# Allegro board RK_NVR_DEMO1_RK3588_LP4XD200P232SD8_V21_20211228_final_lint.brd (continued)
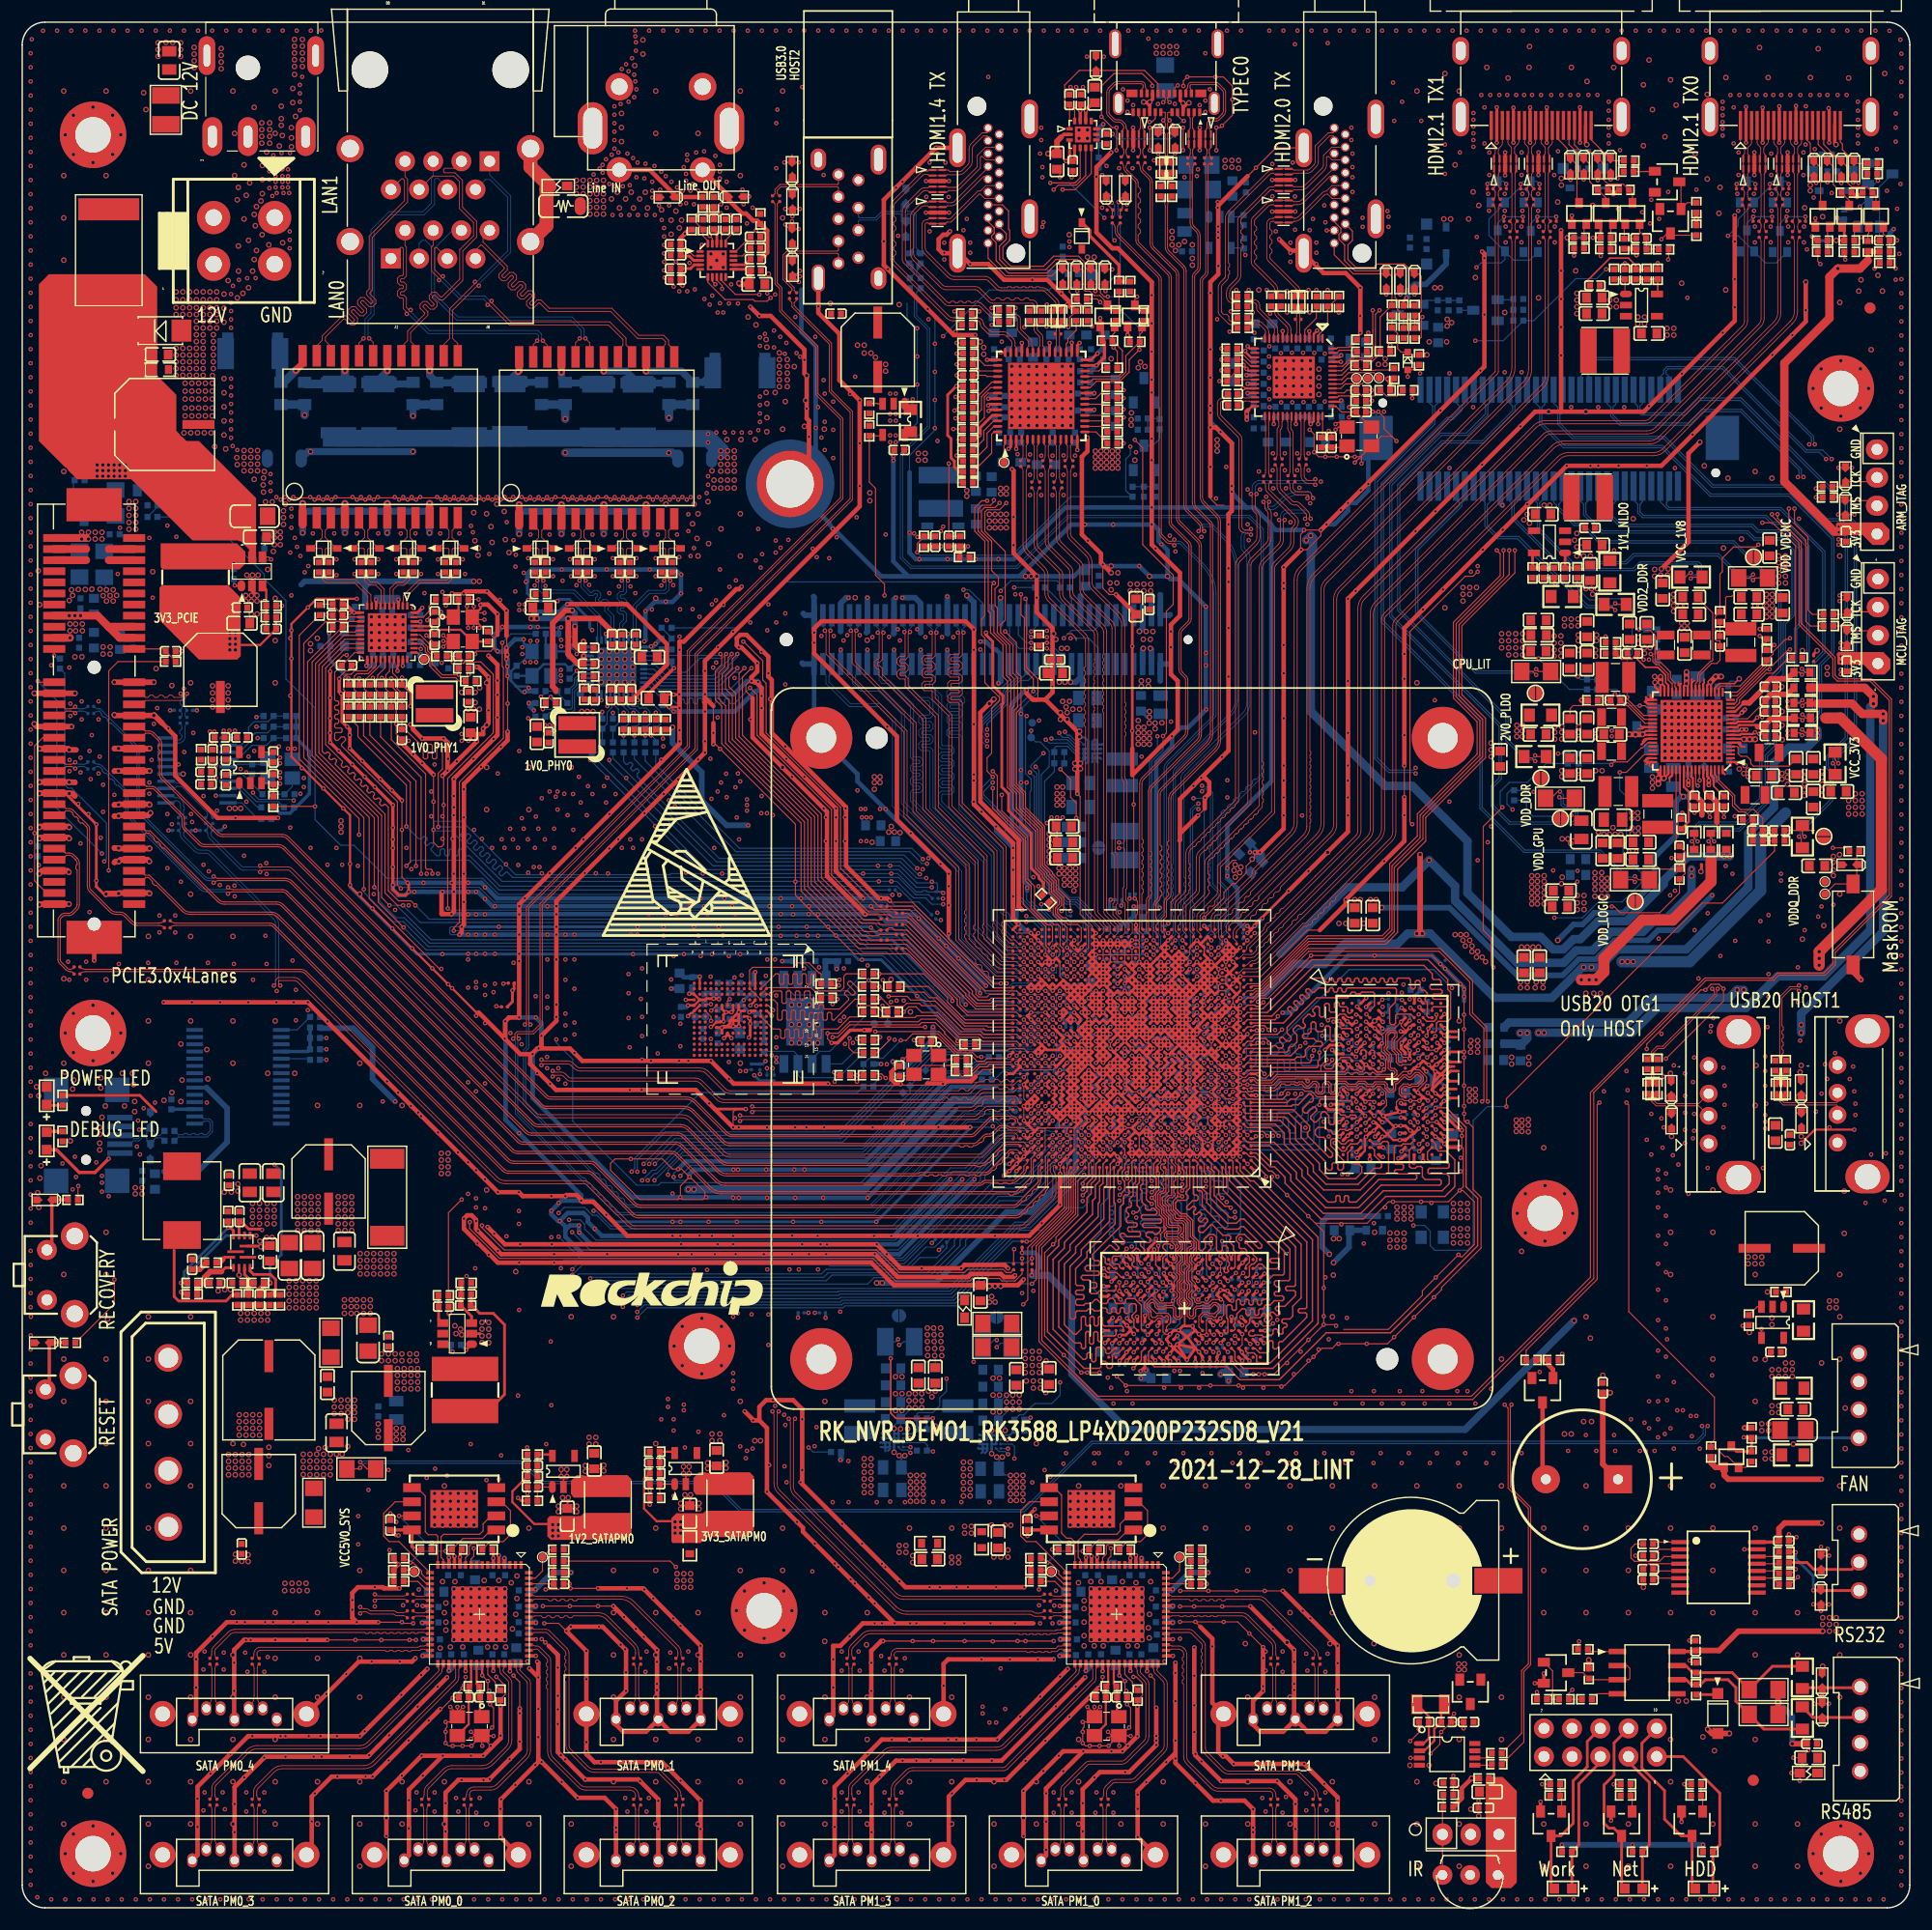
[diagram p0: board, top side]
## Routing (per net, layer and track width the routed paths; a pad name or vN(x,y) marks a point on that pad's centre or on a via; arc(x,y) is an arc through that point) (continued)
  BOTTOM w0.076: v1(113.75,125.11) 113.64,125.22 113.64,125.39 arc(113.73,125.63) 113.97,125.72 115.5,125.72 arc(115.66,125.66) 115.72,125.5 115.72,125.29 115.64,125.21 v1(115.59,125.21)
DP1TX2N: length 50.2
  TOP w0.076: C1414.1 114.61,128.52 arc(114.53,128.4) 114.5,128.25 114.5,128.04 arc(114.52,127.94) 114.58,127.86 114.68,127.75 arc(114.79,127.68) 114.92,127.65 115.84,127.65 arc(116.09,127.55) 116.19,127.3 116.19,127.18 v1(116.3,127.07) ; U1000.AP10 104.86,88.2 104.86,90.26 arc(104.87,90.31) 104.9,90.35 105.88,91.34 arc(106.02,91.54) 106.07,91.78 106.07,94.63 arc(106.11,94.85) 106.24,95.04 106.52,95.33 106.58,95.33 106.63,95.33 106.8,95.49 106.8,95.54 106.8,95.54 106.8,95.6 106.96,95.76 107.01,95.76 107.01,95.76 107.07,95.76 107.23,95.92 107.23,95.98 107.23,95.98 107.23,96.04 107.39,96.2 107.45,96.2 107.45,96.2 107.51,96.2 107.67,96.36 107.67,96.41 107.67,96.42 107.67,96.47 110.72,99.52 110.72,121.05 arc(110.75,121.24) 110.86,121.4 110.92,121.45 112.25,122.79 arc(112.47,123.11) 112.55,123.5 112.55,125.68 arc(112.5,125.9) 112.38,126.08 112.27,126.19 arc(112.25,126.22) 112.24,126.26 112.24,126.49 arc(112.27,126.63) v1(112.34,126.74)
  BOTTOM w0.076: v1(112.34,126.74) 112.24,126.64 112.24,126.43 arc(112.27,126.36) 112.34,126.33 112.65,126.33 arc(112.75,126.35) 112.84,126.41 113.4,126.97 arc(114.15,127.48) 115.04,127.65 115.85,127.65 arc(116.1,127.55) 116.2,127.3 116.2,127.17 v1(116.3,127.07)
DP1TX2P: length 50.8
  TOP w0.076: U1000.AN10 104.87,87.78 104.58,88.07 104.58,90.26 arc(104.61,90.42) 104.7,90.55 105.69,91.53 arc(105.76,91.65) 105.79,91.78 105.79,94.63 arc(105.85,94.96) 106.04,95.24 110.44,99.64 110.44,121.05 arc(110.5,121.34) 110.66,121.59 110.72,121.65 111.94,122.87 112.05,122.98 arc(112.21,123.22) 112.27,123.5 112.27,125.68 arc(112.24,125.79) 112.18,125.88 112.07,125.99 arc(111.99,126.12) 111.96,126.26 111.96,126.45 arc(111.93,126.6) v1(111.84,126.74) ; C1413.1 114.11,128.52 arc(114.19,128.4) 114.22,128.25 114.22,128.04 arc(114.26,127.83) 114.38,127.66 114.48,127.56 arc(114.68,127.42) 114.92,127.37 115.84,127.37 arc(115.89,127.35) 115.91,127.3 115.91,127.18 v1(115.8,127.07)
  BOTTOM w0.076: v1(111.84,126.74) 111.96,126.62 111.96,126.43 arc(112.07,126.16) 112.34,126.05 112.65,126.05 arc(112.86,126.09) 113.04,126.21 113.6,126.77 arc(114.26,127.22) 115.04,127.37 115.85,127.37 arc(115.9,127.35) 115.92,127.3 115.92,127.19 v1(115.8,127.07)
DP1TX3N: length 52.2
  TOP w0.076: C1416.1 115.67,130.08 arc(115.55,129.9) 115.51,129.68 115.51,129.07 arc(115.53,128.96) 115.59,128.87 115.69,128.77 arc(115.81,128.69) 115.94,128.67 116.4,128.67 v1(116.51,128.78) ; U1000.AN11 104.22,87.78 103.86,88.14 103.86,90.37 arc(103.91,90.6) 104.04,90.81 104.85,91.61 104.85,95.05 arc(104.91,95.34) 105.08,95.6 109.32,99.84 109.32,121.05 arc(109.38,121.34) 109.54,121.59 111.03,123.07 arc(111.19,123.32) 111.25,123.61 111.25,125.42 arc(111.22,125.58) 111.12,125.72 110.96,125.88 arc(110.86,126.04) 110.82,126.23 110.82,127.18 arc(110.79,127.33) v1(110.71,127.45)
  BOTTOM w0.076: v1(116.51,128.78) 116.39,128.66 111.43,128.66 arc(111.25,128.63) 111.09,128.53 111.09,128.52 110.95,128.39 arc(110.85,128.24) 110.82,128.06 110.82,127.56 v1(110.71,127.45)
DP1TX3P: length 52.7
  TOP w0.076: v1(116.51,128.28) 116.4,128.39 115.94,128.39 arc(115.7,128.44) 115.5,128.57 115.4,128.67 arc(115.27,128.86) 115.23,129.07 115.23,129.68 arc(115.19,129.9) 115.07,130.08 C1415.1 ; U1000.AP11 104.14,88.27 104.14,88.5 104.34,88.7 104.34,88.93 104.14,89.13 104.14,89.36 104.34,89.56 104.34,89.79 104.14,89.99 104.14,90.37 arc(104.17,90.5) 104.24,90.61 105.13,91.49 105.13,91.72 105.23,91.82 105.23,92.05 105.13,92.15 105.13,92.38 105.23,92.48 105.23,92.71 105.13,92.81 105.13,93.04 105.23,93.15 105.23,93.37 105.13,93.48 105.13,93.7 105.23,93.81 105.23,94.03 105.13,94.14 105.13,95.05 arc(105.17,95.24) 105.28,95.4 105.53,95.65 105.58,95.65 105.64,95.65 105.8,95.81 105.8,95.87 105.8,95.93 105.96,96.09 106.02,96.09 106.07,96.09 106.24,96.25 106.24,96.3 106.24,96.36 106.4,96.52 106.45,96.52 106.51,96.52 106.67,96.68 106.67,96.74 106.67,96.8 106.83,96.96 106.89,96.96 106.95,96.96 107.11,97.12 107.11,97.18 107.11,97.23 107.27,97.39 107.33,97.39 107.38,97.39 107.54,97.55 107.54,97.61 107.54,97.67 107.71,97.83 107.76,97.83 107.82,97.83 107.98,97.99 107.98,98.05 107.98,98.1 108.14,98.26 108.2,98.26 108.25,98.26 108.42,98.43 108.42,98.48 108.42,98.54 108.58,98.7 108.63,98.7 108.69,98.7 108.85,98.86 108.85,98.92 108.85,98.97 109.01,99.13 109.07,99.13 109.13,99.13 109.29,99.3 109.29,99.35 109.29,99.41 109.6,99.72 109.6,121.05 arc(109.64,121.24) 109.74,121.4 109.85,121.51 111.22,122.88 arc(111.45,123.22) 111.53,123.61 111.53,125.42 arc(111.48,125.69) 111.32,125.92 111.16,126.08 arc(111.11,126.15) 111.1,126.23 111.1,127.18 arc(111.13,127.33) v1(111.21,127.45)
  BOTTOM w0.076: v1(111.21,127.45) 111.1,127.56 111.1,128.06 arc(111.11,128.13) 111.15,128.19 111.28,128.32 111.29,128.33 arc(111.35,128.37) 111.43,128.38 116.4,128.38 v1(116.51,128.28)
DP2HDMI_PWREN_H_GPIO3_B2: length 137.7
  TOP w0.089: U1000.AE28 v1(93.5,82.66)
  TOP w0.102: R5131.1 v1(142.72,147.7) ; R5552.1 81.25,123.59 80.64,122.98 v1(80.64,122.19)
  L4-S1 w0.102: v1(82.46,89.7) 82.02,89.7 79.53,92.19 79.53,94.84 77.59,96.77 77.59,98.19 76.07,99.71 76.07,103.07 76.88,103.88 78.31,103.88 85.32,110.89 85.32,116.88 84.1,118.1 84.1,119.52 81.66,121.96 80.87,121.96 v1(80.64,122.19)
  L6-S2 w0.089: v1(93.5,82.66) 92.91,83.25 89.15,83.25 88.82,82.92 88.63,82.92 88.61,82.95 88.47,82.95
  L6-S2 w0.102: v1(82.46,89.7) 82.73,89.7 87.73,84.7 87.73,83.1 87.88,82.95 88.47,82.95 ; v1(130.93,141.27) 127.68,138.02 127.68,137.81 121.99,132.12 111.63,132.12 110.01,130.5 102.89,130.5 101.67,131.72 v1(99.85,131.72)
  BOTTOM w0.102: R5549.1 99.99,127.2 ; 99.99,127.2 99.44,127.75 99.44,130.6 99.85,131.01 v1(99.85,131.72) ; 99.99,127.2 94.47,127.2 89.19,121.93 80.91,121.93 v1(80.64,122.19) ; v1(130.93,141.27) 133.44,141.27 R5129.1 136.2,143.07 139.98,146.85 141.87,146.85 v1(142.72,147.7)
DP2HDMI_RSTN: length 7.3
  TOP w0.102: R5122.2 123.88,136.29 122.91,136.29 122.4,136.8 R5121.2 121.85,136.29 120.7,136.29 C5106.1 119.36,136.81 119.12,136.56 U5100.46
DP2HDMI_RSTN_GPIO0_D5: length 151.8
  TOP w0.102: R5122.1 125.29,136.13 v1(125.25,136.09) ; U1000.V28 v1(92.85,78.11)
  L4-S1 w0.102: v1(82.47,132.22) 82.47,132.02 81.86,131.41 81.86,129.89 72.87,120.9 72.26,120.9 69.37,118 69.37,116.58 67.74,114.95 67.74,110.89 66.01,109.16 66.01,105.71 65.71,105.4 65.71,98.39 57.26,89.95 v1(57.26,77.02)
  L6-S2 w0.089: v1(92.85,78.11) 92.13,77.4 88.52,77.4 88.52,77.39 88.47,77.39
  L6-S2 w0.102: v1(57.26,77.02) 65.21,77.02 67.13,75.1 68.53,75.1 70.33,76.9 76.2,76.9 76.76,77.46 81.76,77.46 82.67,76.55 85.21,76.55 86.06,77.39 88.47,77.39 ; v1(82.47,132.22) 86.64,132.22 87.35,132.94 100.76,132.94 102.99,130.7 109.9,130.7 111.63,132.43 121.59,132.43 v1(125.25,136.09)
DP2HDMI_XIN: length 4.3
  TOP w0.102: U5100.43 118.35,135.36 118.87,134.84 C5105.1 121.54,133.48 Y5100.3
DP2HDMI_XOUT: length 2
  TOP w0.102: R5115.2 117.17,132.65 U5100.42
EMMC_CLKOUT: length 28.7
  TOP w0.102: v1(73.02,78.48) 73.45,78.48 74.57,79.6 80.85,79.6 81.05,79.8 82.27,79.8 83.11,78.95 83.11,78.82 84.14,77.79 84.89,77.79 R1310.2 ; v1(62.07,79.95) 62.07,80.33 U4000.M6
  L6-S2 w0.081: v1(62.07,79.95) 62.46,79.56 62.46,78.68 63.17,77.97 68.15,77.97 68.65,78.48 v1(73.02,78.48)
  BOTTOM w0.086: TP1300.1 61.71,80.31 v1(62.07,79.95) 61.35,79.23 C4010.1
EMMC_CLKOUT_SOC: length 3.5
  TOP w0.089: 89.27,77.79 U1000.V34
  TOP w0.102: R1310.1 85.9,77.79 89.27,77.79
EMMC_CMD: length 18.4
  TOP w0.102: v1(75.36,81.32) 76.96,81.32 77.52,80.76 R1315.2 ; U4000.M5 61.65,81.45 v1(62.05,81.45)
  L6-S2 w0.081: v1(75.36,81.32) 73.94,82.74 65.07,82.74 64.87,82.54 63.88,82.54 62.79,81.45 v1(62.05,81.45)
  BOTTOM w0.086: R4001.2 62.05,81.46 v1(62.05,81.45)
EMMC_CMD/FSPI_CLK: length 12.3
  TOP w0.089: 89.27,78.44 U1000.W34
  TOP w0.102: 89.27,78.44 86.58,78.44 86.28,78.73 84.45,78.73 82.47,80.71 81.05,80.71 80.54,81.22 79.88,81.22 v1(79.42,80.76) R1315.1
  BOTTOM w0.102: R1315.1 v1(79.42,80.76)
EMMC_D0: length 20.3
  TOP w0.102: R1309.2 75.54,82.79 75.4,82.79 74.66,83.53 74.52,83.53 74.37,83.38 74.37,83.24 75.04,82.57 75.04,82.43 74.9,82.28 74.75,82.28 74.39,82.65 74.25,82.65 74.1,82.5 74.1,82.36 74.47,82 74.47,81.85 73.63,81.02 72.31,81.02 72.21,81.12 72.21,81.32 72.1,81.42 71.9,81.42 71.8,81.32 71.8,81.12 71.7,81.02 71.5,81.02 71.4,81.12 71.4,81.63 70.99,82.03 70.99,82.54 70.89,82.64 70.58,82.64 70.48,82.54 70.48,81.93 70.38,81.83 70.17,81.83 70.07,81.93 70.07,82.54 69.97,82.64 69.77,82.64 69.67,82.54 69.67,81.93 69.56,81.83 69.36,81.83 69.26,81.93 69.26,82.54 69.16,82.64 68.95,82.64 68.85,82.54 68.85,81.63 68.75,81.53 68.55,81.53 68.45,81.63 68.45,82.54 68.34,82.64 67.74,82.64 v1(67.45,82.35) U4000.A3
  BOTTOM w0.086: R4000.2 67.44,82.34 v1(67.45,82.35)
EMMC_D0/FSPI_D0: length 15.4
  TOP w0.089: 89.92,79.09 U1000.Y33
  TOP w0.102: R1309.1 v1(77.22,83.05) 77.73,82.54 81.25,82.54 81.76,82.03 82.37,82.03 84.91,79.49 86.92,79.49 87.01,79.4 89.61,79.4 89.92,79.09
  BOTTOM w0.102: R1309.1 v1(77.22,83.05)
EMMC_D1: length 19.2
  TOP w0.102: R1311.2 75.03,81.91 73.15,80.02 73.04,80.02 72.94,80.13 72.94,80.61 72.84,80.71 72.64,80.71 72.54,80.61 72.54,80.13 72.43,80.02 72.23,80.02 72.13,80.13 72.13,80.61 72.03,80.71 71.83,80.71 71.72,80.61 71.72,80.13 71.62,80.02 71.42,80.02 71.32,80.13 71.32,80.61 71.22,80.71 71.01,80.71 70.91,80.61 70.91,80.13 70.81,80.02 70.61,80.02 70.5,80.13 70.5,80.81 70.4,80.92 70.2,80.92 70.1,80.81 70.1,80.13 70,80.02 69.79,80.02 69.69,80.13 69.69,80.81 69.59,80.92 69.39,80.92 69.29,80.81 69.29,80.13 69.18,80.02 68.98,80.02 68.88,80.13 68.88,80.81 68.78,80.92 68.57,80.92 68.47,80.81 68.47,80.13 68.37,80.02 68.15,80.02 68.04,80.13 68.04,81.53 67.72,81.85 U4000.A4
EMMC_D1/FSPI_D1: length 15.5
  TOP w0.102: U1000.W33 89.61,78.75 86.65,78.75 86.41,78.99 84.61,78.99 82.27,81.32 81.05,81.32 80.85,81.53 79.68,81.53 79.42,81.27 78.15,81.27 77.42,82.01 v1(77.24,82.01) 77.14,81.91 R1311.1
  BOTTOM w0.102: R1311.1 77.14,81.91 v1(77.24,82.01)
EMMC_D2: length 11.4
  TOP w0.102: U4000.A5 67.2,81.35 v1(67.64,80.92) ; v1(74.55,78.38) 74.49,78.32 74.49,77.52 74.93,77.08 R1313.2
  L6-S2 w0.081: v1(74.55,78.38) 74.55,78.4 73.73,79.21 68.78,79.21 68.38,79.62 68.38,80.18 v1(67.64,80.92)
EMMC_D2/FSPI_D2: length 17.5
  TOP w0.102: v1(78.11,78.38) 78.11,78.18 77.01,77.08 R1313.1 ; U1000.V32 v1(90.25,78.11)
  L6-S2 w0.081: 88.47,78.11 85.36,78.11 84.71,77.46 83.28,77.46 82.4,78.35 80.72,78.35 80.49,78.58 78.32,78.58 v1(78.11,78.38)
  L6-S2 w0.089: v1(90.25,78.11) 88.47,78.11
  BOTTOM w0.102: v1(78.11,78.38) 78.11,78.18 77.01,77.08 R1313.1
EMMC_D3: length 19
  TOP w0.102: R1314.2 74.24,84.19 74.04,83.99 74.04,82.95 73.73,82.64 71.81,82.64 71.5,82.96 71.5,84.1 71.4,84.2 71.16,84.2 71.06,84.1 71.06,83.35 70.96,83.25 70.75,83.25 70.65,83.35 70.65,84.1 70.55,84.2 70.35,84.2 70.25,84.1 70.25,83.35 70.14,83.25 69.94,83.25 69.84,83.35 69.84,84.1 69.74,84.2 69.54,84.2 69.43,84.1 69.43,83.35 69.33,83.25 69.13,83.25 69.03,83.35 69.03,84.1 68.93,84.2 68.72,84.2 68.62,84.1 68.62,83.35 68.52,83.25 68.32,83.25 68.21,83.35 68.21,84.1 68.11,84.2 67.9,84.2 U4000.B2
EMMC_D3/FSPI_D3: length 15.8
  TOP w0.089: 89.92,79.74 U1000.AA33
  TOP w0.102: R1314.1 v1(77.22,84.19) 81.22,84.19 83.39,82.03 83.39,81.63 84.97,80.05 89.61,80.05 89.92,79.74
  BOTTOM w0.102: v1(77.22,84.19) R1314.1
EMMC_D4: length 6.1
  TOP w0.102: U4000.B3 67.15,82.95 71.07,82.95 R1305.2
EMMC_D4_SOC: length 22
  TOP w0.089: U1000.Y32 90.57,79.09
  TOP w0.102: R1305.1 73.33,82.03 v1(73.45,81.91) ; 90.57,79.09 v1(90.25,79.41)
  L6-S2 w0.081: v1(73.45,81.91) 73.74,81.62 73.74,81.48 73.02,80.76 73.02,80.62 73.16,80.47 73.31,80.47 74.03,81.19 74.17,81.19 74.84,80.53 74.84,80.38 74.67,80.22 74.67,80.08 74.82,79.93 74.96,79.93 75.12,80.1 75.27,80.1 75.46,79.9 80.34,79.9 80.64,80.21 82.57,80.21 83.37,79.41 88.47,79.41
  L6-S2 w0.089: v1(90.25,79.41) 88.47,79.41
EMMC_D5: length 11.1
  TOP w0.102: R1306.2 71.99,84.17 71.89,84.27 71.8,84.27 70.89,85.18 69.87,85.18 69.47,84.78 65.81,84.78 65.54,84.51 65.54,82.86 U4000.B4
EMMC_D5_SOC: length 19.8
  TOP w0.089: U1000.AA32 90.57,79.74
  TOP w0.102: 90.57,79.74 v1(90.25,80.06) ; R1306.1 73.05,83.15 v1(73.58,83.15)
  L6-S2 w0.081: 88.47,80 83.69,80 82.47,81.22 78.7,81.22 78.04,80.56 76.97,80.56 74.38,83.15 v1(73.58,83.15)
  L6-S2 w0.089: 88.47,80 90.19,80 v1(90.25,80.06)
EMMC_D6: length 11.4
  TOP w0.102: R1316.2 75.33,78.22 v1(75.21,78.35) ; v1(66.15,81.3) 66.2,81.3 66.24,81.35 U4000.B5
  L6-S2 w0.081: v1(75.21,78.35) 74.01,79.54 73.02,79.54 71.68,80.89 68.76,80.89 68.35,81.3 v1(66.15,81.3)
EMMC_D6/FSPI_CS0: length 15.8
  TOP w0.102: U1000.W32 v1(90.25,78.76) ; v1(77.3,78.49) 77.3,78.39 77.14,78.22 R1316.1
  L6-S2 w0.081: v1(77.3,78.49) 77.39,78.58 77.39,79.09 77.54,79.24 80.8,79.24 81,79.04 82.83,79.04 83.13,78.73 88.47,78.73
  L6-S2 w0.089: 88.47,78.73 89.23,78.73 89.26,78.76 v1(90.25,78.76)
  BOTTOM w0.102: v1(77.3,78.49) 77.3,78.39 77.14,78.22 R1316.1
EMMC_D7: length 18.1
  TOP w0.102: U4000.B6 66.55,80.33 67.66,79.21 68.23,79.21 68.33,79.11 68.33,78.48 68.43,78.38 68.64,78.38 68.74,78.48 68.74,79.11 68.84,79.21 69.04,79.21 69.15,79.11 69.15,78.48 69.25,78.38 69.45,78.38 69.55,78.48 69.55,79.11 69.65,79.21 69.86,79.21 69.96,79.11 69.96,78.48 70.06,78.38 70.26,78.38 70.37,78.48 70.37,79.11 70.47,79.21 70.67,79.21 70.77,79.11 70.77,78.48 70.87,78.38 71.08,78.38 71.18,78.48 71.18,79.11 71.28,79.21 71.48,79.21 71.58,79.11 71.58,78.48 71.69,78.38 71.89,78.38 71.99,78.48 71.99,79.11 72.09,79.21 73.47,79.21 74.56,80.31 75.34,80.31 R1308.2
EMMC_D7_SOC: length 14.6
  TOP w0.102: R1308.1 77.21,80.26 80.44,80.26 80.59,80.41 82.47,80.41 84.4,78.48 86.15,78.48 86.53,78.1 89.61,78.1 U1000.V33
EMMC_DATA_STROBE: length 29.2
  TOP w0.089: U1000.Y34 89.27,79.09
  TOP w0.102: 89.27,79.09 86.82,79.09 86.66,79.24 84.76,79.24 82.27,81.73 81.35,81.73 81.25,81.83 80.06,81.83 79.73,82.16 v1(78.06,82.16)
  L6-S2 w0.081: v1(64.18,83.87) 64.42,83.62 68.43,83.62 70.17,85.36 73.86,85.36 76.86,82.36 77.86,82.36 v1(78.06,82.16)
  BOTTOM w0.102: v1(64.18,83.87) 64.17,83.87 R4003.1
EMMC_DS: length 2.3
  TOP w0.102: v1(63.75,81.91) 63.55,81.73 U4000.H5
  BOTTOM w0.102: v1(63.75,81.91) 63.68,81.98 R4003.2 R4004.1
EMMC_RSTN: length 23.2
  TOP w0.102: v1(77.54,83.63) 78.08,83.09 R1312.2 ; U4000.K5 v1(62.08,80.88)
  L6-S2 w0.081: v1(62.08,80.88) 61.7,81.27 61.7,82.35 64.12,84.78 68.55,84.78 69.79,86.02 74.22,86.02 75.36,84.88 75.66,84.88 76.91,83.63 v1(77.54,83.63)
  BOTTOM w0.086: 63.15,81.32 63.02,81.32 C4009.1 62.58,80.88 v1(62.08,80.88)
  BOTTOM w0.102: 63.15,81.32 R4002.2
EMMC_RSTN_SOC: length 11.7
  TOP w0.089: 89.27,79.74 U1000.AA34
  TOP w0.102: 89.27,79.74 84.97,79.74 81.66,83.05 R1312.1
EMMC_VDDI: length 2.6
  TOP w0.203: U4000.C2 v1(66.05,84.35)
  BOTTOM w0.406: v1(66.05,84.35) 65.89,84.19 C4008.1
ENTEST: length 3.6
  TOP w0.102: R5513.1 86.13,140.6 86.13,139.64 86.73,139.04 U5500.44
ES_CE: length 2.8
  TOP w0.102: R7002.2 60.44,152.18 R7004.1 61.34,150.72 61.78,150.27 U7000.20
ETH0_REFCLKO25M: length 1.8
  TOP w0.089: U1000.AD30 v1(91.55,81.36)
  BOTTOM w0.089: v1(91.55,81.36) 91.22,81.04 90.59,81.04 R1511.1
ETH0_REFCLKO_25M: length 85.7
  TOP w0.102: v1(43.25,114.04) 43.25,111.9 43.36,111.8 43.36,105.44 39.39,101.48 39.39,88.84 38.89,88.33 v1(38.89,88.08)
  BOTTOM w0.089: 88.47,80.89 R1511.2
  BOTTOM w0.102: 88.47,80.89 84.76,80.89 84.25,81.4 84.25,82.16 78.89,87.52 76.57,87.52 76.01,88.08 38.89,88.08 v1(38.89,88.08) ; R6709.1 44.06,114.84 v1(43.25,114.04)
ETH1_REFCLKO25M: length 1
  TOP w0.102: U1000.AH27 v1(94.15,83.96)
  BOTTOM w0.089: R1906.1 93.68,84.12 93.83,83.96 v1(94.15,83.96)
ETH1_REFCLKO_25M: length 90.3
  TOP w0.102: v1(91.11,109.67) 91.11,110.79 90.29,111.6 90.29,116.27 89.99,116.58 v1(89.99,118.41) ; R6809.1 v1(41.12,117.94)
  L6-S2 w0.102: v1(89.99,118.41) 89.99,119.42 88.97,120.44 63.17,120.44 59.21,116.48 53.41,116.48 51.59,118.31 41.48,118.31 v1(41.12,117.94)
  BOTTOM w0.089: 92.71,88.96 93.14,88.54 93.14,87.11 93.39,86.86 93.39,84.95 93.68,84.67 R1906.2
  BOTTOM w0.102: v1(91.11,109.67) 89.58,108.15 89.58,97.38 90.65,96.31 90.65,92.75 90.9,92.5 90.9,90.77 92.71,88.96
ETHERNET_LED+: length 15.9
  TOP w0.254: LED9001.1 R9004.2 152.96,5.67 152.96,10.33 149.66,13.63 J9001.9
ETHERNET_LED-: length 17.5
  TOP w0.254: J9001.10 145.94,14.84 145.94,12.6 147.98,10.56 147.98,7.99 149.49,6.48 Q9001.3 150.46,2.01 LED9001.2
ETHERNET_LED_EN_H_GPIO3_C0: length 179.4
  TOP w0.089: U1000.Y29 92.52,79.09
  TOP w0.102: R9007.1 v1(149.76,11.14) ; 92.52,79.09 v1(92.2,79.41)
  L4-S1 w0.102: v1(55.42,66.36) 55.42,65.4 56.26,64.56 56.26,55.92 56.56,55.62 56.56,46.17 58.29,44.44 62.05,44.44 63.88,42.61 63.88,40.78 64.18,40.48 64.18,36.31 68.25,32.25 69.77,32.25 74.55,27.47 74.55,26.66 76.38,24.83 77.8,24.83 79.53,23.11 82.98,23.11 85.93,20.16 85.93,18.13 v1(86.54,17.52)
  L6-S2 w0.102: v1(149.76,11.14) 148.97,11.93 135,11.93 133.86,10.79 122.83,10.79 119.48,14.14 108.07,14.14 105.41,16.81 96.8,16.81 96.29,16.3 88.97,16.3 87.75,17.52 v1(86.54,17.52)
  BOTTOM w0.089: 88.47,78.15 89.6,78.15 89.96,77.79 90.38,77.79 90.57,77.98 90.57,78.25 90.76,78.44 91.03,78.44 91.22,78.63 91.22,78.9 91.41,79.09 91.87,79.09 v1(92.2,79.41)
  BOTTOM w0.102: v1(55.42,66.36) 55.42,67.43 57.94,69.94 73.59,69.94 78.98,75.33 79.73,75.33 82.07,77.67 84.33,77.67 84.81,78.15 88.47,78.15
FSPI_CLK: length 11.5
  L6-S2 w0.081: v1(77.52,81.31) 76.98,81.31 74.22,84.07 71.06,84.07 v1(70.45,84.68)
  BOTTOM w0.102: TP1302.1 77.96,79.74 R1304.2 77.96,80.87 v1(77.52,81.31) ; v1(70.45,84.68) 69.9,84.12 U4300.6
FSPI_CS0: length 4.4
  BOTTOM w0.102: 72.44,76.08 73.87,76.08 75.8,78 R1307.2
FSPI_D0: length 8.4
  BOTTOM w0.102: R1300.2 75.04,82.29 69.52,82.29 68.63,83.18 U4300.5
FSPI_D1: length 8.3
  BOTTOM w0.102: R1301.2 75.8,80.24 72.77,77.21 71.85,77.21 71.17,76.52 71.17,76.08
FSPI_D2: length 11.9
  BOTTOM w0.102: R1302.2 73.54,74.83 70.12,74.83 69.9,75.05 U4300.3 69.9,76.83 69.52,77.21 66.92,77.21 R4300.2
FSPI_D3: length 8.1
  BOTTOM w0.102: R1303.2 74.27,82.67 71.42,82.67 71.17,82.92 71.17,84.52 R4301.2
GMAC0_MCLKIN: length 14.5
  TOP w0.089: U1000.AF34 89.27,82.99
  TOP w0.102: 89.27,82.99 89.21,82.92 87.55,82.92 80.19,90.29 R1512.1
GMAC0_MCLKINOUT: length 53.2
  TOP w0.102: v1(64.97,114.14) 65,114.14 66.72,112.41 66.72,110.69 67.03,110.38 67.03,105.91 73.73,99.2 73.73,93.72 77.16,90.29 R1512.2
  L6-S2 w0.102: v1(64.97,114.14) 64.87,114.24 62.56,114.24 58.29,109.97 51.6,109.97 50.33,108.7 47.55,108.7 47.09,109.16 v1(46.73,109.16)
  BOTTOM w0.102: C6706.1 48.23,109.5 R6714.1 R6715.1 47.15,109.53 46.78,109.16 v1(46.73,109.16)
GMAC0_MDC: length 42.6
  TOP w0.102: R1513.2 75.36,86.48 70.18,91.66 70.18,97.78 63.03,104.93 63.03,108.32 62.46,108.89 62.46,111.5 63.03,112.07 63.03,112.91 v1(62.91,113.02)
  BOTTOM w0.102: v1(62.91,113.02) 62.79,112.9 57.07,112.9 57.03,112.85 U6701.13
GMAC0_MDC_SOC: length 12.8
  TOP w0.102: R1513.1 79.65,86.48 84.25,81.88 84.25,81.37 85.16,80.47 89.19,80.47 U1000.AB34
GMAC0_MDIO: length 57.8
  TOP w0.102: v1(63.42,113.02) 63.29,112.9 63.29,111.88 62.76,111.35 62.76,108.98 63.37,108.37 63.37,105 70.48,97.88 70.48,91.86 75.49,86.86 79.68,86.86 84.5,82.04 84.5,81.42 85.2,80.73 89.58,80.73 U1000.AB33
  BOTTOM w0.102: v1(63.42,113.02) 63.04,112.64 61.06,112.64 59.79,111.37 58.52,111.37 57.61,112.28 R6735.2 57.51,112.45 U6701.14
GMAC0_RSTN_L_GPIO4_B3: length 67.9
  TOP w0.089: 95.43,88.33 95.12,88.64
  TOP w0.102: v1(87.55,119.42) 87.35,119.22 87.35,117.09 87.55,116.88 87.55,114.95 88.67,113.83 88.67,111.09 89.08,110.69 89.08,108.45 88.97,108.35 88.97,101.09 89.58,100.48 89.58,99.12 91.52,97.19 91.52,93.81 92.12,93.2 92.12,93.01 92.73,92.4 92.73,91.58 93.44,90.87 93.44,90.47 93.09,90.11 93.09,89.6 93.75,88.94 93.95,88.94 94.26,88.64 95.12,88.64 ; U1000.AM25 95.43,87.19 95.43,88.33
  BOTTOM w0.102: v1(87.55,119.42) 87.45,119.52 68.53,119.52 64.39,115.38 R6736.1
GMAC0_RXCLK: length 52.7
  TOP w0.102: U1000.AE32 v1(90.25,82.66)
  L6-S2 w0.089: 88.47,82.29 89.08,82.29 89.45,82.66 v1(90.25,82.66)
  L6-S2 w0.102: 88.47,82.29 87.05,82.29 86.3,83.04 86.3,84.21 81.76,88.75 81.76,90.11 81.51,90.37 81.51,91.54 v1(81.96,91.99)
  BOTTOM w0.102: R6741.2 51.34,104.15 C6724.1 51.33,103.93 61.68,93.58 78.98,93.58 80.57,91.99 v1(81.96,91.99)
GMAC0_RXD0: length 52.1
  TOP w0.089: U1000.AD32 v1(90.25,82.01)
  L6-S2 w0.089: 88.47,81.53 89.08,81.53 89.56,82.01 v1(90.25,82.01)
  L6-S2 w0.102: v1(80.88,93.17) 80.41,92.71 80.41,88.44 84.28,84.57 84.28,83.21 85.97,81.53 88.47,81.53
  BOTTOM w0.102: R6737.2 54.19,103.3 54.41,103.08 54.55,103.08 54.72,103.25 54.86,103.25 55,103.1 55,102.96 54.84,102.8 54.84,102.65 54.99,102.51 55.13,102.51 55.29,102.67 55.43,102.67 55.58,102.53 55.58,102.38 55.42,102.22 55.42,101.98 62.8,94.59 79.26,94.59 80.68,93.17 v1(80.88,93.17)
GMAC0_RXD1: length 51.1
  TOP w0.089: U1000.AD31 v1(90.9,82.01)
  L6-S2 w0.089: v1(90.9,82.01) 90.57,81.69 89.62,81.69 89.2,81.27 88.47,81.27
  L6-S2 w0.102: v1(80.64,93.71) 80.11,93.18 80.11,88.28 83.83,84.56 83.83,83.12 85.67,81.27 88.47,81.27
  BOTTOM w0.102: v1(80.64,93.71) 79.46,94.9 63.82,94.9 55.16,103.56 R6738.2
GMAC0_RXD2: length 52.5
  TOP w0.089: U1000.AC32 90.57,81.04
  TOP w0.102: 90.57,81.04 v1(90.25,81.36)
  L6-S2 w0.089: 88.47,81.02 89.46,81.02 89.8,81.36 v1(90.25,81.36)
  L6-S2 w0.102: v1(81.53,94.12) 80.54,94.12 79.8,93.39 79.8,88.01 83.43,84.39 83.43,82.86 84.44,81.84 84.44,81.34 84.76,81.02 88.47,81.02
  BOTTOM w0.102: v1(81.53,94.12) 81.06,94.12 79.98,95.2 64.33,95.2 56.12,103.4 R6739.2
GMAC0_RXD3: length 52.9
  TOP w0.089: U1000.AC31 91.22,81.04
  TOP w0.102: 91.22,81.04 v1(90.9,81.36)
  L6-S2 w0.089: 88.47,80.76 89.58,80.76 89.84,81.02 90.47,81.02 90.82,81.36 v1(90.9,81.36)
  L6-S2 w0.102: v1(81.15,94.53) 80.48,94.53 79.5,93.55 79.5,87.65 82.98,84.17 82.98,81.93 84.15,80.76 88.47,80.76
  BOTTOM w0.102: v1(81.15,94.53) 80.18,95.51 64.63,95.51 57.09,103.05 R6740.2
GMAC0_RXDV_CRS: length 52.9
  TOP w0.102: U1000.AE31 v1(91.55,82.01)
  L6-S2 w0.089: 88.47,81.78 89.03,81.78 89.58,82.34 91.22,82.34 v1(91.55,82.01)
  L6-S2 w0.102: 88.47,81.78 86.25,81.78 85,83.03 85,84.36 81.15,88.21 81.15,89.65 80.85,89.96 80.85,92.21 v1(81.46,92.82)
  BOTTOM w0.102: R6742.2 53.23,103.62 62.56,94.29 79.13,94.29 80.6,92.82 v1(81.46,92.82)
GMAC0_TXCLK: length 42.2
  TOP w0.102: R1506.2 78.67,89.78 76.24,89.78 72.92,93.1 72.92,99 66.22,105.71 66.22,109.34 v1(65.58,109.97)
  BOTTOM w0.102: v1(65.58,109.97) 64.16,108.55 63.82,108.55 63.72,108.65 63.72,108.93 63.62,109.03 63.41,109.03 63.31,108.93 63.31,108.65 63.21,108.55 63.01,108.55 62.9,108.65 62.9,108.93 62.8,109.03 62.6,109.03 62.5,108.93 62.5,108.65 62.4,108.55 62.19,108.55 62.09,108.65 62.09,108.93 61.99,109.03 61.79,109.03 61.69,108.93 61.69,108.65 61.58,108.55 61.38,108.55 61.28,108.65 61.28,108.93 61.18,109.03 60.97,109.03 60.87,108.93 60.87,108.65 60.77,108.55 60.57,108.55 60.47,108.65 60.47,108.93 60.36,109.03 60.16,109.03 60.06,108.93 60.06,108.65 59.96,108.55 59.75,108.55 59.65,108.65 59.65,108.86 59.55,108.96 59.35,108.96 59.25,108.86 59.25,108.65 59.15,108.55 58.94,108.55 58.46,109.03 57.98,109.03 C6726.1 57.33,109.31 56.58,110.05 U6701.20
GMAC0_TXCLK_SOC: length 13.7
  TOP w0.102: R1506.1 79.78,89.65 86.79,82.65 89.61,82.65 U1000.AE33
GMAC0_TXD0: length 41
  TOP w0.102: R1507.2 77.26,88.64 77.16,88.74 75.64,88.74 71.7,92.68 71.7,98.47 64.59,105.58 64.59,111.27 v1(65.07,111.75)
  BOTTOM w0.102: v1(65.07,111.75) 64.69,111.37 64.06,111.37 62.84,110.15 57.5,110.15 56.8,110.85 U6701.18
GMAC0_TXD0_SOC: length 13.8
  TOP w0.089: U1000.AD33 89.92,81.69
  TOP w0.102: 89.92,81.69 89.61,82 87.3,82 87.13,81.83 86.13,81.83 85.62,82.34 85.62,82.64 79.63,88.64 R1507.1
GMAC0_TXD1: length 40
  TOP w0.102: v1(64.44,111.75) 64.44,111.68 63.68,110.91 63.68,110.08 64.29,109.47 64.29,105.45 71.4,98.34 71.4,92.47 75.87,88 77.06,88 77.19,88.13 R1508.2
  BOTTOM w0.102: U6701.17 56.43,111.25 56.49,111.19 56.89,111.19 57.63,110.46 62.63,110.46 63.93,111.75 v1(64.44,111.75)
